# EAGLE board Mk4 Final Panel (EAGLE 9.0.1), part 12 of 18
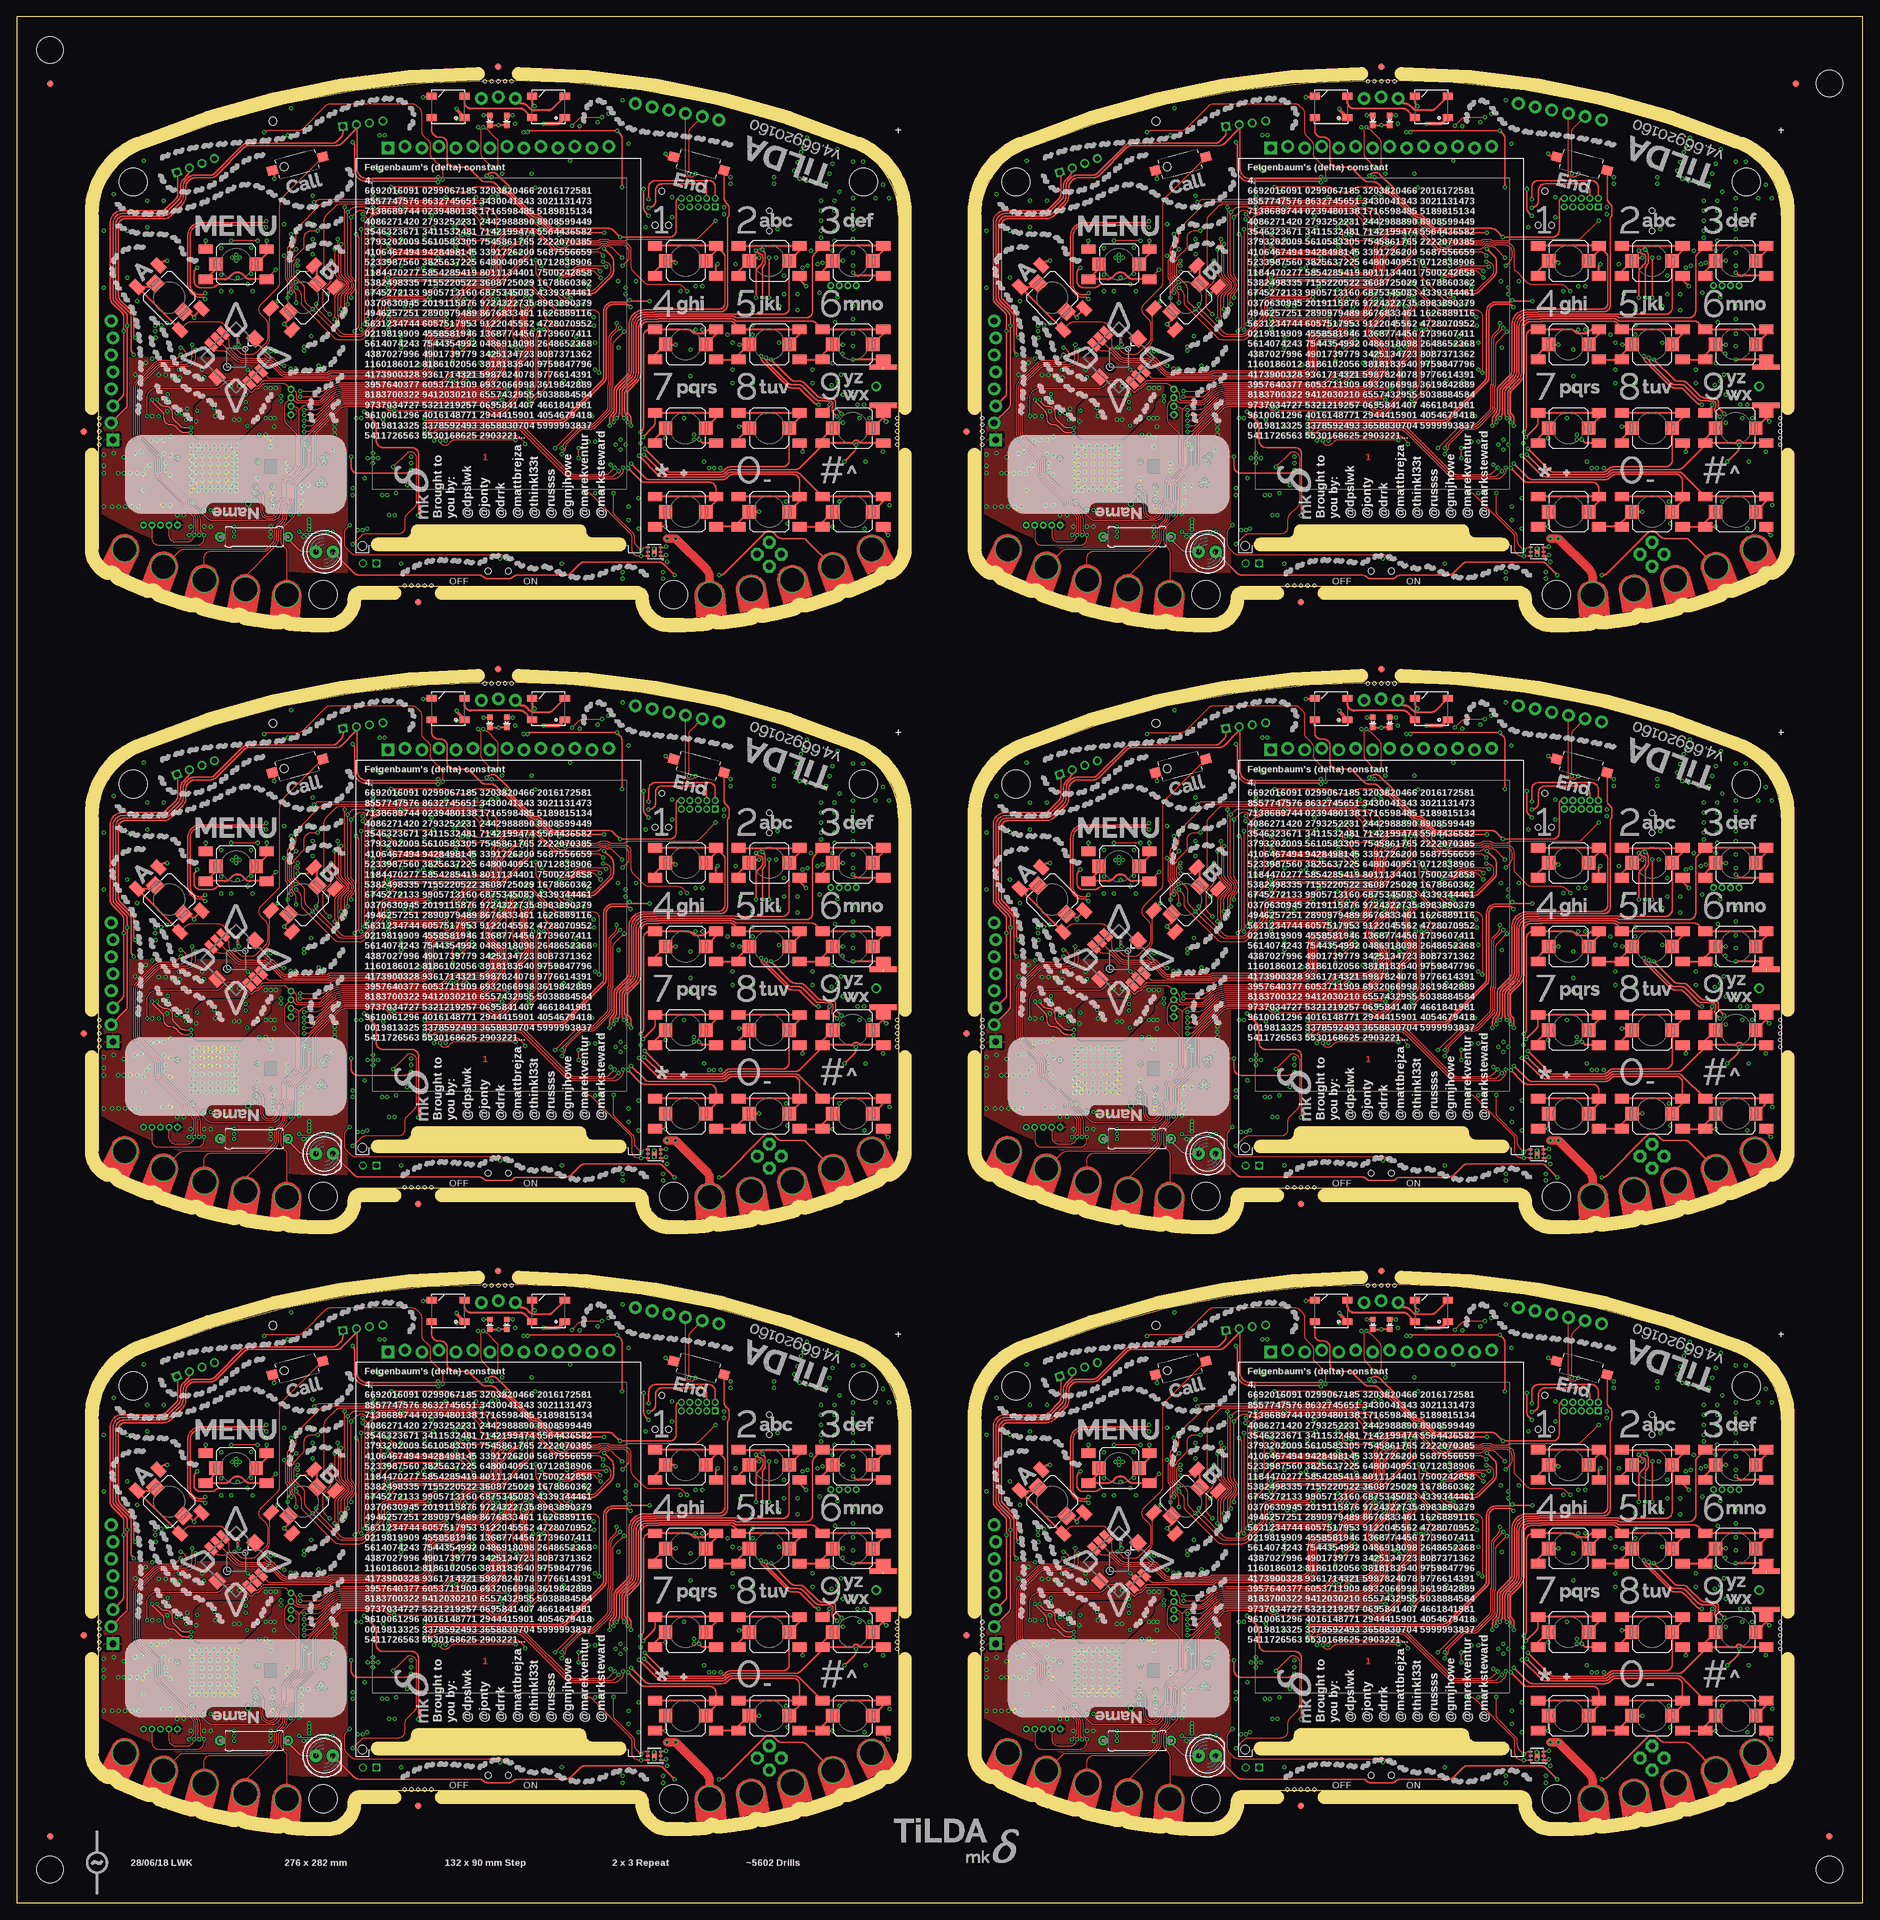
[diagram p0: board, top side]
## Tracks (layer width: path | path; a pad name or v marks a point on that pad's centre or on a via) (continued)
MUX_B1  (via drill 0.3) (continued)
  Bottom 0.2: IC27.6 232.46,61.96 R133.2 232.31,61.75 arc45 233.01,62.04 233.27,62.3 233.3,62.3 233.73,62.73 IC27.5
MUX_B2  (via drill 0.3)
  Top 0.15: v100.25,151 99.54,151.71 arc45 98.84,152 94.51,152 arc-45 93.81,152.29 92.09,154.01 arc-45 91.8,154.71 91.8,157.2 arc90 90.8,158.2 88.57,158.2 arc-45 88.43,158.26 88.33,158.37 arc45 88.18,158.43 87.42,158.43 arc45 87.28,158.37 87.17,158.26 arc-45 87.03,158.2 82.31,158.2 arc45 81.95,158.05 v81.9,158
  Bottom 0.15: R211.2 v100.25,151 | IC38.106 81.5,157.6 v81.9,158
  Bottom 0.2: IC45.6 100.46,151.96 R211.2 100.31,151.75 arc45 101.02,152.04 101.27,152.3 101.3,152.3 101.73,152.73 IC45.5
MUX_B3  (via drill 0.3)
  Top 0.15: v232.25,151 231.54,151.71 arc45 230.84,152 226.51,152 arc-45 225.81,152.29 224.09,154.01 arc-45 223.8,154.71 223.8,157.2 arc90 222.8,158.2 220.57,158.2 arc-45 220.43,158.26 220.32,158.37 arc45 220.18,158.43 219.42,158.43 arc45 219.28,158.37 219.17,158.26 arc-45 219.03,158.2 214.31,158.2 arc45 213.95,158.05 v213.9,158
  Bottom 0.15: R289.2 v232.25,151 | IC56.106 213.5,157.6 v213.9,158
  Bottom 0.2: IC63.6 232.46,151.96 R289.2 232.31,151.75 arc45 233.01,152.04 233.27,152.3 233.3,152.3 233.73,152.73 IC63.5
MUX_B4  (via drill 0.3)
  Top 0.15: v100.25,241 99.54,241.71 arc45 98.84,242 94.51,242 arc-45 93.81,242.29 92.09,244.01 arc-45 91.8,244.71 91.8,247.2 arc90 90.8,248.2 88.57,248.2 arc-45 88.43,248.26 88.33,248.37 arc45 88.18,248.43 87.42,248.43 arc45 87.28,248.37 87.17,248.26 arc-45 87.03,248.2 82.31,248.2 arc45 81.95,248.05 v81.9,248
  Bottom 0.15: R367.2 v100.25,241 | IC74.106 81.5,247.6 v81.9,248
  Bottom 0.2: IC81.6 100.46,241.96 R367.2 100.31,241.75 arc45 101.02,242.04 101.27,242.3 101.3,242.3 101.73,242.73 IC81.5
MUX_B5  (via drill 0.3)
  Top 0.15: v232.25,241 231.54,241.71 arc45 230.84,242 226.51,242 arc-45 225.81,242.29 224.09,244.01 arc-45 223.8,244.71 223.8,247.2 arc90 222.8,248.2 220.57,248.2 arc-45 220.43,248.26 220.32,248.37 arc45 220.18,248.43 219.42,248.43 arc45 219.28,248.37 219.17,248.26 arc-45 219.03,248.2 214.31,248.2 arc45 213.95,248.05 v213.9,248
  Bottom 0.15: R445.2 v232.25,241 | IC92.106 213.5,247.6 v213.9,248
  Bottom 0.2: IC99.6 232.46,241.96 R445.2 232.31,241.75 arc45 233.01,242.04 233.27,242.3 233.3,242.3 233.73,242.73 IC99.5
N$1
  cutout GND@3 (no thermals): 33.9,40.9 33.9,40.85 33.9,40.9 34.24,41.24 arc-90 34.66,41.24 34.84,41.06 arc-90 34.84,40.64 32.15,37.95 32.15,37.8 arc-90 31.85,37.5 31.75,37.5 arc-90 31.45,37.8 31.45,38.4 33.9,40.85
N$2
  cutout GND@3 (no thermals): 29.1,42.5 29.1,38.8 29.85,38.05 29.85,37.75 arc-90 29.55,37.45 29.45,37.45 arc-90 29.15,37.75 28.4,38.5 28.4,43 29.29,43.89 arc-90 29.71,43.89 29.89,43.71 arc-90 29.89,43.29
N$3
  cutout GND@3 (no thermals): 28.1,42.6 28.1,38.6 28.65,38.05 28.65,37.75 arc-90 28.35,37.45 28.25,37.45 arc-90 27.95,37.75 27.4,38.3 27.4,42.1 26.61,42.89 arc-90 26.61,43.31 26.79,43.49 arc-90 27.21,43.49
N$4
  cutout 3V3@2: 92.1,17 92.1,20.75 96.1,20.75 96.1,17
  cutout GND@3: 92.1,17 92.1,20.75 96.1,20.75 96.1,17
N$5
  cutout GND@3 (no thermals): 165.9,40.9 165.9,40.85 165.9,40.9 166.24,41.24 arc-90 166.66,41.24 166.84,41.06 arc-90 166.84,40.64 164.15,37.95 164.15,37.8 arc-90 163.85,37.5 163.75,37.5 arc-90 163.45,37.8 163.45,38.4 165.9,40.85
N$6
  cutout GND@3 (no thermals): 161.1,42.5 161.1,38.8 161.85,38.05 161.85,37.75 arc-90 161.55,37.45 161.45,37.45 arc-90 161.15,37.75 160.4,38.5 160.4,43 161.29,43.89 arc-90 161.71,43.89 161.89,43.71 arc-90 161.89,43.29
N$7
  cutout GND@3 (no thermals): 160.1,42.6 160.1,38.6 160.65,38.05 160.65,37.75 arc-90 160.35,37.45 160.25,37.45 arc-90 159.95,37.75 159.4,38.3 159.4,42.1 158.61,42.89 arc-90 158.61,43.31 158.79,43.49 arc-90 159.21,43.49
N$8
  cutout 3V3@2: 224.1,17 224.1,20.75 228.1,20.75 228.1,17
  cutout GND@3: 224.1,17 224.1,20.75 228.1,20.75 228.1,17
N$9
  cutout GND@3 (no thermals): 33.9,130.9 33.9,130.85 33.9,130.9 34.24,131.24 arc-90 34.66,131.24 34.84,131.06 arc-90 34.84,130.64 32.15,127.95 32.15,127.8 arc-90 31.85,127.5 31.75,127.5 arc-90 31.45,127.8 31.45,128.4 33.9,130.85
N$10
  cutout GND@3 (no thermals): 29.1,132.5 29.1,128.8 29.85,128.05 29.85,127.75 arc-90 29.55,127.45 29.45,127.45 arc-90 29.15,127.75 28.4,128.5 28.4,133 29.29,133.89 arc-90 29.71,133.89 29.89,133.71 arc-90 29.89,133.29
N$11
  cutout GND@3 (no thermals): 28.1,132.6 28.1,128.6 28.65,128.05 28.65,127.75 arc-90 28.35,127.45 28.25,127.45 arc-90 27.95,127.75 27.4,128.3 27.4,132.1 26.61,132.89 arc-90 26.61,133.31 26.79,133.49 arc-90 27.21,133.49
N$12
  cutout 3V3@2: 92.1,107 92.1,110.75 96.1,110.75 96.1,107
  cutout GND@3: 92.1,107 92.1,110.75 96.1,110.75 96.1,107
N$13
  cutout GND@3 (no thermals): 165.9,130.9 165.9,130.85 165.9,130.9 166.24,131.24 arc-90 166.66,131.24 166.84,131.06 arc-90 166.84,130.64 164.15,127.95 164.15,127.8 arc-90 163.85,127.5 163.75,127.5 arc-90 163.45,127.8 163.45,128.4 165.9,130.85
N$14
  cutout GND@3 (no thermals): 161.1,132.5 161.1,128.8 161.85,128.05 161.85,127.75 arc-90 161.55,127.45 161.45,127.45 arc-90 161.15,127.75 160.4,128.5 160.4,133 161.29,133.89 arc-90 161.71,133.89 161.89,133.71 arc-90 161.89,133.29
N$15
  cutout GND@3 (no thermals): 160.1,132.6 160.1,128.6 160.65,128.05 160.65,127.75 arc-90 160.35,127.45 160.25,127.45 arc-90 159.95,127.75 159.4,128.3 159.4,132.1 158.61,132.89 arc-90 158.61,133.31 158.79,133.49 arc-90 159.21,133.49
N$16
  cutout 3V3@2: 224.1,107 224.1,110.75 228.1,110.75 228.1,107
  cutout GND@3: 224.1,107 224.1,110.75 228.1,110.75 228.1,107
N$17
  cutout GND@3 (no thermals): 33.9,220.9 33.9,220.85 33.9,220.9 34.24,221.24 arc-90 34.66,221.24 34.84,221.06 arc-90 34.84,220.64 32.15,217.95 32.15,217.8 arc-90 31.85,217.5 31.75,217.5 arc-90 31.45,217.8 31.45,218.4 33.9,220.85
N$18
  cutout GND@3 (no thermals): 29.1,222.5 29.1,218.8 29.85,218.05 29.85,217.75 arc-90 29.55,217.45 29.45,217.45 arc-90 29.15,217.75 28.4,218.5 28.4,223 29.29,223.89 arc-90 29.71,223.89 29.89,223.71 arc-90 29.89,223.29
N$19
  cutout GND@3 (no thermals): 28.1,222.6 28.1,218.6 28.65,218.05 28.65,217.75 arc-90 28.35,217.45 28.25,217.45 arc-90 27.95,217.75 27.4,218.3 27.4,222.1 26.61,222.89 arc-90 26.61,223.31 26.79,223.49 arc-90 27.21,223.49
N$20
  cutout 3V3@2: 92.1,197 92.1,200.75 96.1,200.75 96.1,197
  cutout GND@3: 92.1,197 92.1,200.75 96.1,200.75 96.1,197
N$21
  cutout GND@3 (no thermals): 165.9,220.9 165.9,220.85 165.9,220.9 166.24,221.24 arc-90 166.66,221.24 166.84,221.06 arc-90 166.84,220.64 164.15,217.95 164.15,217.8 arc-90 163.85,217.5 163.75,217.5 arc-90 163.45,217.8 163.45,218.4 165.9,220.85
N$22
  cutout GND@3 (no thermals): 161.1,222.5 161.1,218.8 161.85,218.05 161.85,217.75 arc-90 161.55,217.45 161.45,217.45 arc-90 161.15,217.75 160.4,218.5 160.4,223 161.29,223.89 arc-90 161.71,223.89 161.89,223.71 arc-90 161.89,223.29
N$23
  cutout GND@3 (no thermals): 160.1,222.6 160.1,218.6 160.65,218.05 160.65,217.75 arc-90 160.35,217.45 160.25,217.45 arc-90 159.95,217.75 159.4,218.3 159.4,222.1 158.61,222.89 arc-90 158.61,223.31 158.79,223.49 arc-90 159.21,223.49
N$24
  cutout 3V3@2: 224.1,197 224.1,200.75 228.1,200.75 228.1,197
  cutout GND@3: 224.1,197 224.1,200.75 228.1,200.75 228.1,197
NETLIGHT_R
  Bottom 0.15: IC5.41 109.2,44 arc-90 108.2,43 102.75,43 R42.2
NETLIGHT_R1
  Bottom 0.15: IC21.41 241.2,44 arc-90 240.2,43 234.75,43 R124.2
NETLIGHT_R2
  Bottom 0.15: IC39.41 109.2,134 arc-90 108.2,133 102.75,133 R202.2
NETLIGHT_R3
  Bottom 0.15: IC57.41 241.2,134 arc-90 240.2,133 234.75,133 R280.2
NETLIGHT_R4
  Bottom 0.15: IC75.41 109.2,224 arc-90 108.2,223 102.75,223 R358.2
NETLIGHT_R5
  Bottom 0.15: IC93.41 241.2,224 arc-90 240.2,223 234.75,223 R436.2
OSC0
  Bottom 0.15: IC1.88 75,76.2 C16.2 74.75,77.91 arc45 74.46,78.62 X2.1
OSC1
  Bottom 0.15: IC1.89 75.4,74.1 R6.1
OSC1_R
  Bottom 0.15: R6.2 C17.2 75.75,77.47 X2.3
OSC1_R1
  Bottom 0.15: R90.2 C127.2 207.75,77.47 X6.3
OSC1_R2
  Bottom 0.15: R168.2 C235.2 75.75,167.47 X10.3
OSC1_R3
  Bottom 0.15: R246.2 C343.2 207.75,167.47 X14.3
OSC1_R4
  Bottom 0.15: R324.2 C451.2 75.75,257.48 X18.3
OSC1_R5
  Bottom 0.15: R402.2 C559.2 207.75,257.48 X22.3
OSC2
  Bottom 0.15: IC20.88 207,76.2 C126.2 206.75,77.91 arc45 206.46,78.62 X6.1
OSC3
  Bottom 0.15: IC20.89 207.4,74.1 R90.1
OSC4
  Bottom 0.15: IC38.88 75,166.2 C234.2 74.75,167.91 arc45 74.46,168.62 X10.1
OSC5
  Bottom 0.15: IC38.89 75.4,164.1 R168.1
OSC6
  Bottom 0.15: IC56.88 207,166.2 C342.2 206.75,167.91 arc45 206.46,168.62 X14.1
OSC7
  Bottom 0.15: IC56.89 207.4,164.1 R246.1
OSC8
  Bottom 0.15: IC74.88 75,256.2 C450.2 74.75,257.91 arc45 74.46,258.62 X18.1
OSC9
  Bottom 0.15: IC74.89 75.4,254.1 R324.1
OSC10
  Bottom 0.15: IC92.88 207,256.2 C558.2 206.75,257.91 arc45 206.46,258.62 X22.1
OSC11
  Bottom 0.15: IC92.89 207.4,254.1 R402.1
POWER_SWITCH  (via drill 0.3)
  Top 0.15: v73.25,21 73.02,21.23 arc45 72.31,21.52 72.03,21.52 72.01,21.5 50.71,21.5 arc-45 50.01,21.79 49.32,22.48 arc-45 49.02,23.19 49.02,24.86 arc-45 49.32,25.57 v49.75,26
  Bottom 0.15: Q3.4 50.3,26.2 R13.1 v49.75,26 | S18.3 73.61,20.85 arc-45 v73.25,21
POWER_SWITCH1  (via drill 0.3)
  Top 0.15: v205.25,21 205.02,21.23 arc45 204.31,21.52 204.03,21.52 204.01,21.5 182.71,21.5 arc-45 182.01,21.79 181.32,22.48 arc-45 181.03,23.19 181.03,24.86 arc-45 181.32,25.57 v181.75,26
  Bottom 0.15: Q7.4 182.3,26.2 R96.1 v181.75,26 | S39.3 205.61,20.85 arc-45 v205.25,21
POWER_SWITCH2  (via drill 0.3)
  Top 0.15: v73.25,111 73.02,111.23 arc45 72.31,111.53 72.03,111.53 72.01,111.5 50.71,111.5 arc-45 50.01,111.79 49.32,112.48 arc-45 49.02,113.19 49.02,114.86 arc-45 49.32,115.57 v49.75,116
  Bottom 0.15: Q12.4 50.3,116.2 R174.1 v49.75,116 | S60.3 73.61,110.85 arc-45 v73.25,111
POWER_SWITCH3  (via drill 0.3)
  Top 0.15: v205.25,111 205.02,111.23 arc45 204.31,111.53 204.03,111.53 204.01,111.5 182.71,111.5 arc-45 182.01,111.79 181.32,112.48 arc-45 181.03,113.19 181.03,114.86 arc-45 181.32,115.57 v181.75,116
  Bottom 0.15: Q16.4 182.3,116.2 R252.1 v181.75,116 | S81.3 205.61,110.85 arc-45 v205.25,111
POWER_SWITCH4  (via drill 0.3)
  Top 0.15: v73.25,201 73.02,201.23 arc45 72.31,201.53 72.03,201.53 72.01,201.5 50.71,201.5 arc-45 50.01,201.79 49.32,202.48 arc-45 49.02,203.19 49.02,204.86 arc-45 49.32,205.57 v49.75,206
  Bottom 0.15: Q20.4 50.3,206.2 R330.1 v49.75,206 | S102.3 73.61,200.85 arc-45 v73.25,201
POWER_SWITCH5  (via drill 0.3)
  Top 0.15: v205.25,201 205.02,201.23 arc45 204.31,201.53 204.03,201.53 204.01,201.5 182.71,201.5 arc-45 182.01,201.79 181.32,202.48 arc-45 181.03,203.19 181.03,204.86 arc-45 181.32,205.57 v181.75,206
  Bottom 0.15: Q24.4 182.3,206.2 R408.1 v181.75,206 | S123.3 205.61,200.85 arc-45 v205.25,201
PWM2_SPK_PWM  (via drill 0.3)
  3V3@2 0.15: v60,64.25 60.25,64 60.25,55.75 58,53.5 v57.5,53.5
  Bottom 0.15: IC1.44 61.46,63.2 arc-45 60.76,63.49 v60,64.25 | v57.5,53.5 43.98,53.5 arc-45 43.84,53.56 43.76,53.64 arc45 43.62,53.7 42.91,53.7 arc-45 42.21,53.99 41.84,54.36 arc-45 41.55,55.06 41.55,56.43 arc45 41.18,57.32 39.74,58.76 arc45 39.21,58.98 38.98,58.98 arc-90 38.48,59.48 38.48,59.69 arc45 38.29,60.13 arc-45 38,60.84 38,71.4 arc90 37,72.4 C105.2
PWM2_SPK_PWM1  (via drill 0.3)
  3V3@2 0.15: v192,64.25 192.25,64 192.25,55.75 190,53.5 v189.5,53.5
  Bottom 0.15: IC20.44 193.46,63.2 arc-45 192.76,63.49 v192,64.25 | v189.5,53.5 175.98,53.5 arc-45 175.84,53.56 175.76,53.64 arc45 175.62,53.7 174.91,53.7 arc-45 174.21,53.99 173.84,54.36 arc-45 173.55,55.06 173.55,56.43 arc45 173.18,57.32 171.75,58.76 arc45 171.21,58.98 170.97,58.98 arc-90 170.47,59.48 170.47,59.69 arc45 170.29,60.13 arc-45 170,60.84 170,71.4 arc90 169,72.4 C213.2
PWM2_SPK_PWM2  (via drill 0.3)
  3V3@2 0.15: v60,154.25 60.25,154 60.25,145.75 58,143.5 v57.5,143.5
  Bottom 0.15: IC38.44 61.46,153.2 arc-45 60.76,153.49 v60,154.25 | v57.5,143.5 43.98,143.5 arc-45 43.84,143.56 43.76,143.64 arc45 43.62,143.7 42.91,143.7 arc-45 42.21,143.99 41.84,144.36 arc-45 41.55,145.06 41.55,146.43 arc45 41.18,147.32 39.74,148.75 arc45 39.21,148.97 38.98,148.97 arc-90 38.48,149.47 38.48,149.69 arc45 38.29,150.13 arc-45 38,150.84 38,161.4 arc90 37,162.4 C321.2
PWM2_SPK_PWM3  (via drill 0.3)
  3V3@2 0.15: v192,154.25 192.25,154 192.25,145.75 190,143.5 v189.5,143.5
  Bottom 0.15: IC56.44 193.46,153.2 arc-45 192.76,153.49 v192,154.25 | v189.5,143.5 175.98,143.5 arc-45 175.84,143.56 175.76,143.64 arc45 175.62,143.7 174.91,143.7 arc-45 174.21,143.99 173.84,144.36 arc-45 173.55,145.06 173.55,146.43 arc45 173.18,147.32 171.75,148.75 arc45 171.21,148.97 170.97,148.97 arc-90 170.47,149.47 170.47,149.69 arc45 170.29,150.13 arc-45 170,150.84 170,161.4 arc90 169,162.4 C429.2
PWM2_SPK_PWM4  (via drill 0.3)
  3V3@2 0.15: v60,244.25 60.25,244 60.25,235.75 58,233.5 v57.5,233.5
  Bottom 0.15: IC74.44 61.46,243.2 arc-45 60.76,243.49 v60,244.25 | v57.5,233.5 43.98,233.5 arc-45 43.84,233.56 43.76,233.64 arc45 43.62,233.7 42.91,233.7 arc-45 42.21,233.99 41.84,234.36 arc-45 41.55,235.06 41.55,236.43 arc45 41.18,237.32 39.74,238.75 arc45 39.21,238.97 38.98,238.97 arc-90 38.48,239.47 38.48,239.69 arc45 38.29,240.13 arc-45 38,240.84 38,251.4 arc90 37,252.4 C537.2
PWM2_SPK_PWM5  (via drill 0.3)
  3V3@2 0.15: v192,244.25 192.25,244 192.25,235.75 190,233.5 v189.5,233.5
  Bottom 0.15: IC92.44 193.46,243.2 arc-45 192.76,243.49 v192,244.25 | v189.5,233.5 175.98,233.5 arc-45 175.84,233.56 175.76,233.64 arc45 175.62,233.7 174.91,233.7 arc-45 174.21,233.99 173.84,234.36 arc-45 173.55,235.06 173.55,236.43 arc45 173.18,237.32 171.75,238.75 arc45 171.21,238.97 170.97,238.97 arc-90 170.47,239.47 170.47,239.69 arc45 170.29,240.13 arc-45 170,240.84 170,251.4 arc90 169,252.4 C645.2
PWM3_MIC_PWM  (via drill 0.3)
  Top 0.15: v87.7,66.3 87.39,66.61 arc45 86.69,66.9 82.39,66.9 82.37,66.88 80.98,66.88 arc-45 80.28,67.17 77.56,69.88 arc45 77.21,70.03 73.64,70.03 arc45 72.93,69.73 71.29,68.09 arc45 71,67.39 71,64.7 arc-90 70,63.7 66.48,63.7 arc-45 v66,63.9
  Bottom 0.15: IC1.45 65.29,63.6 arc45 v65.99,63.89 v66,63.9 | v87.7,66.3 87.39,66.61 arc-45 87.1,67.31 87.1,69.75 arc-90 88.1,70.75 R53.2
PWM3_MIC_PWM1  (via drill 0.3)
  Top 0.15: v219.7,66.3 219.39,66.61 arc45 218.69,66.9 214.39,66.9 214.37,66.88 212.98,66.88 arc-45 212.28,67.17 209.56,69.88 arc45 209.21,70.03 205.64,70.03 arc45 204.93,69.73 203.29,68.09 arc45 203,67.39 203,64.7 arc-90 202,63.7 198.48,63.7 arc-45 v198,63.9
  Bottom 0.15: IC20.45 197.29,63.6 arc45 v197.99,63.89 v198,63.9 | v219.7,66.3 219.39,66.61 arc-45 219.1,67.31 219.1,69.75 arc-90 220.1,70.75 R131.2
PWM3_MIC_PWM2  (via drill 0.3)
  Top 0.15: v87.7,156.3 87.39,156.61 arc45 86.69,156.9 82.39,156.9 82.37,156.88 80.98,156.88 arc-45 80.28,157.17 77.56,159.88 arc45 77.21,160.03 73.64,160.03 arc45 72.93,159.73 71.29,158.09 arc45 71,157.39 71,154.7 arc-90 70,153.7 66.48,153.7 arc-45 v66,153.9
  Bottom 0.15: IC38.45 65.29,153.6 arc45 v65.99,153.89 v66,153.9 | v87.7,156.3 87.39,156.61 arc-45 87.1,157.31 87.1,159.75 arc-90 88.1,160.75 R209.2
PWM3_MIC_PWM3  (via drill 0.3)
  Top 0.15: v219.7,156.3 219.39,156.61 arc45 218.69,156.9 214.39,156.9 214.37,156.88 212.98,156.88 arc-45 212.28,157.17 209.56,159.88 arc45 209.21,160.03 205.64,160.03 arc45 204.93,159.73 203.29,158.09 arc45 203,157.39 203,154.7 arc-90 202,153.7 198.48,153.7 arc-45 v198,153.9
  Bottom 0.15: IC56.45 197.29,153.6 arc45 v197.99,153.89 v198,153.9 | v219.7,156.3 219.39,156.61 arc-45 219.1,157.31 219.1,159.75 arc-90 220.1,160.75 R287.2
PWM3_MIC_PWM4  (via drill 0.3)
  Top 0.15: v87.7,246.3 87.39,246.61 arc45 86.69,246.9 82.39,246.9 82.37,246.88 80.98,246.88 arc-45 80.28,247.17 77.56,249.88 arc45 77.21,250.03 73.64,250.03 arc45 72.93,249.73 71.29,248.09 arc45 71,247.39 71,244.7 arc-90 70,243.7 66.48,243.7 arc-45 v66,243.9
  Bottom 0.15: IC74.45 65.29,243.6 arc45 v65.99,243.89 v66,243.9 | v87.7,246.3 87.39,246.61 arc-45 87.1,247.31 87.1,249.75 arc-90 88.1,250.75 R365.2
PWM3_MIC_PWM5  (via drill 0.3)
  Top 0.15: v219.7,246.3 219.39,246.61 arc45 218.69,246.9 214.39,246.9 214.37,246.88 212.98,246.88 arc-45 212.28,247.17 209.56,249.88 arc45 209.21,250.03 205.64,250.03 arc45 204.93,249.73 203.29,248.09 arc45 203,247.39 203,244.7 arc-90 202,243.7 198.48,243.7 arc-45 v198,243.9
  Bottom 0.15: IC92.45 197.29,243.6 arc45 v197.99,243.89 v198,243.9 | v219.7,246.3 219.39,246.61 arc-45 219.1,247.31 219.1,249.75 arc-90 220.1,250.75 R443.2
PWM6_LCD_BLIGHT  (via drill 0.3)
  Top 0.15: v87.1,48.8 87.1,57.2 arc90 86.1,58.2 80.99,58.2 arc-45 80.28,58.49 76.85,61.92 v76.85,62.15 | v65.5,70.6 66.03,70.07 arc-45 66.17,69.72 66.17,69.35 arc90 66.92,68.6 v70.8,68.6
  3V3@2 0.15: v70.8,68.6 76.85,62.55 v76.85,62.15
  Bottom 0.15: Q8.3 87.42,49.33 arc-45 87.28,48.98 v87.1,48.8 | IC1.63 65.3,70.8 v65.5,70.6
PWM6_LCD_BLIGHT1  (via drill 0.3)
  Top 0.15: v219.1,48.8 219.1,57.2 arc90 218.1,58.2 212.99,58.2 arc-45 212.28,58.49 208.85,61.92 v208.85,62.15 | v197.5,70.6 198.03,70.07 arc-45 198.18,69.72 198.18,69.35 arc90 198.93,68.6 v202.8,68.6
  3V3@2 0.15: v202.8,68.6 208.85,62.55 v208.85,62.15
  Bottom 0.15: Q4.3 219.42,49.33 arc-45 219.28,48.98 v219.1,48.8 | IC20.63 197.3,70.8 v197.5,70.6
PWM6_LCD_BLIGHT2  (via drill 0.3)
  Top 0.15: v87.1,138.8 87.1,147.2 arc90 86.1,148.2 80.99,148.2 arc-45 80.28,148.49 76.85,151.92 v76.85,152.15 | v65.5,160.6 66.03,160.07 arc-45 66.17,159.72 66.17,159.35 arc90 66.92,158.6 v70.8,158.6
  3V3@2 0.15: v70.8,158.6 76.85,152.55 v76.85,152.15
  Bottom 0.15: Q9.3 87.42,139.33 arc-45 87.28,138.98 v87.1,138.8 | IC38.63 65.3,160.8 v65.5,160.6
PWM6_LCD_BLIGHT3  (via drill 0.3)
  Top 0.15: v219.1,138.8 219.1,147.2 arc90 218.1,148.2 212.99,148.2 arc-45 212.28,148.49 208.85,151.92 v208.85,152.15 | v197.5,160.6 198.03,160.07 arc-45 198.18,159.72 198.18,159.35 arc90 198.93,158.6 v202.8,158.6
  3V3@2 0.15: v202.8,158.6 208.85,152.55 v208.85,152.15
  Bottom 0.15: Q13.3 219.42,139.33 arc-45 219.28,138.98 v219.1,138.8 | IC56.63 197.3,160.8 v197.5,160.6
PWM6_LCD_BLIGHT4  (via drill 0.3)
  Top 0.15: v87.1,228.8 87.1,237.2 arc90 86.1,238.2 80.99,238.2 arc-45 80.28,238.49 76.85,241.92 v76.85,242.15 | v65.5,250.6 66.03,250.07 arc-45 66.17,249.72 66.17,249.35 arc90 66.92,248.6 v70.8,248.6
  3V3@2 0.15: v70.8,248.6 76.85,242.55 v76.85,242.15
  Bottom 0.15: Q17.3 87.42,229.33 arc-45 87.28,228.98 v87.1,228.8 | IC74.63 65.3,250.8 v65.5,250.6
PWM6_LCD_BLIGHT5  (via drill 0.3)
  Top 0.15: v219.1,228.8 219.1,237.2 arc90 218.1,238.2 212.99,238.2 arc-45 212.28,238.49 208.85,241.92 v208.85,242.15 | v197.5,250.6 198.03,250.07 arc-45 198.18,249.72 198.18,249.35 arc90 198.93,248.6 v202.8,248.6
  3V3@2 0.15: v202.8,248.6 208.85,242.55 v208.85,242.15
  Bottom 0.15: Q21.3 219.42,229.33 arc-45 219.28,228.98 v219.1,228.8 | IC92.63 197.3,250.8 v197.5,250.6
PWR_KEY_FET
  Bottom 0.15: IC5.39 111.4,43.25 arc-90 109.9,41.75 103.67,41.75 Q1.3
PWR_KEY_FET1
  Bottom 0.15: IC21.39 243.4,43.25 arc-90 241.9,41.75 235.68,41.75 Q6.3
PWR_KEY_FET2
  Bottom 0.15: IC39.39 111.4,133.25 arc-90 109.9,131.75 103.67,131.75 Q11.3
PWR_KEY_FET3
  Bottom 0.15: IC57.39 243.4,133.25 arc-90 241.9,131.75 235.68,131.75 Q15.3
PWR_KEY_FET4
  Bottom 0.15: IC75.39 111.4,223.25 arc-90 109.9,221.75 103.67,221.75 Q19.3
PWR_KEY_FET5
  Bottom 0.15: IC93.39 243.4,223.25 arc-90 241.9,221.75 235.68,221.75 Q23.3
RBIAS+
  Bottom 0.2: IC1.59 62.8,69.2 R3.1
RBIAS+1
  Bottom 0.2: IC20.59 194.8,69.2 R87.1
RBIAS+2
  Bottom 0.2: IC38.59 62.8,159.2 R165.1
RBIAS+3
  Bottom 0.2: IC56.59 194.8,159.2 R243.1
RBIAS+4
  Bottom 0.2: IC74.59 62.8,249.2 R321.1
RBIAS+5
  Bottom 0.2: IC92.59 194.8,249.2 R399.1
SDRAM_!CAS  (via drill 0.3)
  Top 0.15: v55.5,62.25 55.96,62.71 arc-45 56.66,63 70.1,63 arc90 71.6,64.5 71.6,66.69 arc-45 71.89,67.39 v72.5,68
  Bottom 0.15: IC2.17 54.95,62.3 55,62.25 v55.5,62.25 | IC1.83 73,68.91 arc-45 72.71,68.21 v72.5,68
SDRAM_!CAS1  (via drill 0.3)
  Top 0.15: v187.5,62.25 187.96,62.71 arc-45 188.66,63 202.1,63 arc90 203.6,64.5 203.6,66.69 arc-45 203.89,67.39 v204.5,68
  Bottom 0.15: IC19.17 186.95,62.3 187,62.25 v187.5,62.25 | IC20.83 205,68.91 arc-45 204.71,68.21 v204.5,68
SDRAM_!CAS2  (via drill 0.3)
  Top 0.15: v55.5,152.25 55.96,152.71 arc-45 56.66,153 70.1,153 arc90 71.6,154.5 71.6,156.69 arc-45 71.89,157.39 v72.5,158
  Bottom 0.15: IC37.17 54.95,152.3 55,152.25 v55.5,152.25 | IC38.83 73,158.91 arc-45 72.71,158.21 v72.5,158
SDRAM_!CAS3  (via drill 0.3)
  Top 0.15: v187.5,152.25 187.96,152.71 arc-45 188.66,153 202.1,153 arc90 203.6,154.5 203.6,156.69 arc-45 203.89,157.39 v204.5,158
  Bottom 0.15: IC55.17 186.95,152.3 187,152.25 v187.5,152.25 | IC56.83 205,158.91 arc-45 204.71,158.21 v204.5,158
SDRAM_!CAS4  (via drill 0.3)
  Top 0.15: v55.5,242.25 55.96,242.71 arc-45 56.66,243 70.1,243 arc90 71.6,244.5 71.6,246.69 arc-45 71.89,247.39 v72.5,248
  Bottom 0.15: IC73.17 54.95,242.3 55,242.25 v55.5,242.25 | IC74.83 73,248.91 arc-45 72.71,248.21 v72.5,248
SDRAM_!CAS5  (via drill 0.3)
  Top 0.15: v187.5,242.25 187.96,242.71 arc-45 188.66,243 202.1,243 arc90 203.6,244.5 203.6,246.69 arc-45 203.89,247.39 v204.5,248
  Bottom 0.15: IC91.17 186.95,242.3 187,242.25 v187.5,242.25 | IC92.83 205,248.91 arc-45 204.71,248.21 v204.5,248
SDRAM_!CS  (via drill 0.3)
  Top 0.15: v75.5,68.75 75.16,68.41 arc-45 74.89,68.3 arc45 74.18,68.01 72.49,66.32 arc45 72.2,65.61 72.2,64.4 arc-90 70.2,62.4 57.56,62.4 arc45 56.86,62.11 v55.5,60.75
  Bottom 0.15: IC2.19 54.43,60.75 v55.5,60.75 | IC1.103 78.55,68.8 arc-45 78.43,68.75 v75.5,68.75
SDRAM_!CS1  (via drill 0.3)
  Top 0.15: v207.5,68.75 207.16,68.41 arc-45 206.89,68.3 arc45 206.18,68.01 204.49,66.32 arc45 204.2,65.61 204.2,64.4 arc-90 202.2,62.4 189.56,62.4 arc45 188.86,62.11 v187.5,60.75
  Bottom 0.15: IC19.19 186.43,60.75 v187.5,60.75 | IC20.103 210.55,68.8 arc-45 210.43,68.75 v207.5,68.75
SDRAM_!CS2  (via drill 0.3)
  Top 0.15: v75.5,158.75 75.16,158.41 arc-45 74.89,158.3 arc45 74.18,158.01 72.49,156.32 arc45 72.2,155.61 72.2,154.4 arc-90 70.2,152.4 57.56,152.4 arc45 56.86,152.11 v55.5,150.75
  Bottom 0.15: IC37.19 54.43,150.75 v55.5,150.75 | IC38.103 78.55,158.8 arc-45 78.43,158.75 v75.5,158.75
SDRAM_!CS3  (via drill 0.3)
  Top 0.15: v207.5,158.75 207.16,158.41 arc-45 206.89,158.3 arc45 206.18,158.01 204.49,156.32 arc45 204.2,155.61 204.2,154.4 arc-90 202.2,152.4 189.56,152.4 arc45 188.86,152.11 v187.5,150.75
  Bottom 0.15: IC55.19 186.43,150.75 v187.5,150.75 | IC56.103 210.55,158.8 arc-45 210.43,158.75 v207.5,158.75
SDRAM_!CS4  (via drill 0.3)
  Top 0.15: v75.5,248.75 75.16,248.41 arc-45 74.89,248.3 arc45 74.18,248.01 72.49,246.32 arc45 72.2,245.61 72.2,244.4 arc-90 70.2,242.4 57.56,242.4 arc45 56.86,242.11 v55.5,240.75
  Bottom 0.15: IC73.19 54.43,240.75 v55.5,240.75 | IC74.103 78.55,248.8 arc-45 78.43,248.75 v75.5,248.75
SDRAM_!CS5  (via drill 0.3)
  Top 0.15: v207.5,248.75 207.16,248.41 arc-45 206.89,248.3 arc45 206.18,248.01 204.49,246.32 arc45 204.2,245.61 204.2,244.4 arc-90 202.2,242.4 189.56,242.4 arc45 188.86,242.11 v187.5,240.75
  Bottom 0.15: IC91.19 186.43,240.75 v187.5,240.75 | IC92.103 210.55,248.8 arc-45 210.43,248.75 v207.5,248.75
SDRAM_!RAS  (via drill 0.3)
  Top 0.15: v55.5,61.5 56.41,62.41 arc-45 57.11,62.7 70.15,62.7 arc90 71.9,64.45 71.9,66.24 arc-45 72.19,66.94 v73.25,68
  Bottom 0.15: IC2.18 v55.5,61.5 | IC1.84 73.4,68.36 arc-45 v73.25,68
SDRAM_!RAS1  (via drill 0.3)
  Top 0.15: v187.5,61.5 188.41,62.41 arc-45 189.11,62.7 202.15,62.7 arc90 203.9,64.45 203.9,66.24 arc-45 204.19,66.94 v205.25,68
  Bottom 0.15: IC19.18 v187.5,61.5 | IC20.84 205.4,68.36 arc-45 v205.25,68
SDRAM_!RAS2  (via drill 0.3)
  Top 0.15: v55.5,151.5 56.41,152.41 arc-45 57.11,152.7 70.15,152.7 arc90 71.9,154.45 71.9,156.24 arc-45 72.19,156.94 v73.25,158
  Bottom 0.15: IC37.18 v55.5,151.5 | IC38.84 73.4,158.36 arc-45 v73.25,158
SDRAM_!RAS3  (via drill 0.3)
  Top 0.15: v187.5,151.5 188.41,152.41 arc-45 189.11,152.7 202.15,152.7 arc90 203.9,154.45 203.9,156.24 arc-45 204.19,156.94 v205.25,158
  Bottom 0.15: IC55.18 v187.5,151.5 | IC56.84 205.4,158.36 arc-45 v205.25,158
SDRAM_!RAS4  (via drill 0.3)
  Top 0.15: v55.5,241.5 56.41,242.41 arc-45 57.11,242.7 70.15,242.7 arc90 71.9,244.45 71.9,246.24 arc-45 72.19,246.94 v73.25,248
  Bottom 0.15: IC73.18 v55.5,241.5 | IC74.84 73.4,248.36 arc-45 v73.25,248
SDRAM_!RAS5  (via drill 0.3)
  Top 0.15: v187.5,241.5 188.41,242.41 arc-45 189.11,242.7 202.15,242.7 arc90 203.9,244.45 203.9,246.24 arc-45 204.19,246.94 v205.25,248
  Bottom 0.15: IC91.18 v187.5,241.5 | IC92.84 205.4,248.36 arc-45 v205.25,248
SDRAM_!WE  (via drill 0.3)
  Top 0.15: v75.5,69.5 73.54,69.5 arc45 72.83,69.21 71.59,67.97 arc45 71.3,67.26 71.3,64.62 arc-90 70.05,63.38 56.29,63.38 arc45 55.58,63.08 v55.5,63
  Bottom 0.15: IC2.16 54.9,63.1 55,63 v55.5,63 | IC1.92 76.6,71.01 arc-45 76.31,70.31 v75.5,69.5
SDRAM_!WE1  (via drill 0.3)
  Top 0.15: v207.5,69.5 205.54,69.5 arc45 204.83,69.21 203.59,67.97 arc45 203.3,67.26 203.3,64.62 arc-90 202.05,63.38 188.29,63.38 arc45 187.58,63.08 v187.5,63
  Bottom 0.15: IC19.16 186.9,63.1 187,63 v187.5,63 | IC20.92 208.6,71.01 arc-45 208.31,70.31 v207.5,69.5